# Altium PCB WCAM-TK-PCB-R02.PcbDoc (part 2 of 2) (continued)
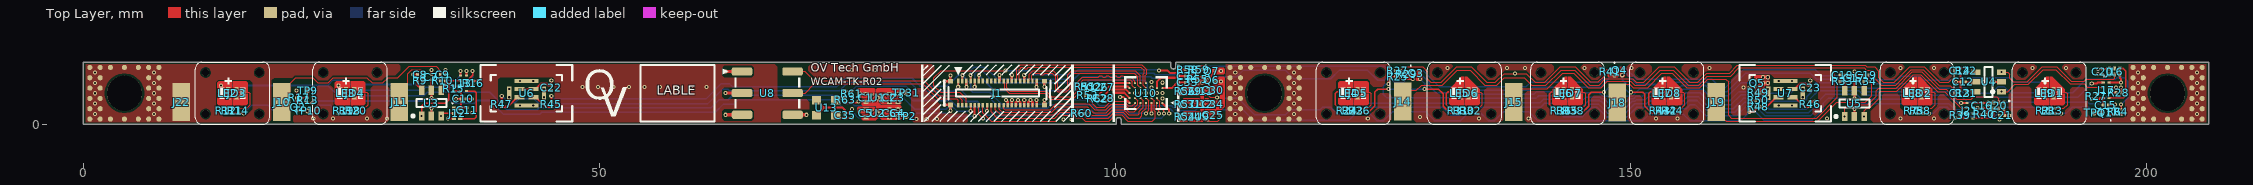
[diagram p0: Top Layer view]
## Nets (pads, with @x,y where several pads share a name; then routed paths per layer and width w, separated by ;. In a path a pad name is that pad's centre, name@x,y a point inside that pad or via, vN(x,y) a via of type N, cw(c..) or ccw(c..) an arc to the next point about the centre after c; other vN are vias at no path point) (continued)
  Top Layer w0.2: R15.2@35.9,3.2 J13.8@36.56,3.2 36.6,3.2 C10.1@36.6,2.45 ; v1(36.15,2.45) C10.1@36.6,2.45 ; J12.6@36.55,1.55 36.55,1.6 J12.6@36.6,1.6 ; C11.1@37.2,1.6 J12.6@36.6,1.6 ; R16.2@37.8,4.2 v1(38.25,4.2) ; v1(181.428,0.611) R39.2@181.886,0.611 181.897,0.6 182.2,0.6 182.239,0.561 J21.8@182.546,0.561 ; C16.1@184.026,1.561 v1(184.6,1.561) 184.6,1.25 184.535,1.185 184.535,0.985 R40.2@184.5,0.95 ; J20.6@186.15,1.5 186.2,1.45 186.2,1.283 C21.1@186.2,0.85 v1(186.65,0.85) ; v1(194.642,2.45) R27.2@195.1,2.45 195.105,2.455 195.405,2.455 195.5,2.55 J17.8@195.75,2.55 ; v1(195.252,5.35) C20.1@195.71,5.35 196.31,5.35 J16.6@196.36,5.4 ; C15.1@195.75,1.85 J17.8@195.75,2.55 ; J17.8@195.76,2.55 J17.8@195.75,2.55 ; R28.2@197.5,3.05 v1(197.5,3.55) ; J12.6@36.6,1.6 C10.1@36.6,2.45
  other v1: 75.3,1.35 75.85,1.345
VCC5.0: C2.1 C3.1 C4.1 C6.1 J1.28 J1.34 J1.40 Q6.2 R55.1 TP2.TP U1.3 U1.4 U2.3 U2.4 | length 2.1
  Top Layer w0.2: C4.1@79.15,0.75 TP2.TP@79.75,0.75
  Top Layer w0.25: J1.28@90,1.839 v1(90,2.35) ; J1.34@91.2,1.839 v1(91.2,2.35) ; J1.40@92.4,1.839 v1(92.4,2.35)
  other v1: 78.15,0.655 78.95,0.655 78.15,2.155 78.95,2.155 108,4.05 108.45,4.05
VCC_MIC: C22.1 C23.1 Q5.3 TP24.TP U6.3 U6.4 U7.4 | length 134.7
  Top Layer w0.2: U6.3@42.295,3.412 U6.4@43.645,3.412 43.862,3.412 44.4,3.95 44.9,3.95 45.074,3.776 45.356,3.776 C22.1@45.37,3.762 v1(45.37,4.22) ; U7.4@165.645,3.412 165.862,3.412 166.4,3.95 166.9,3.95 167.074,3.776 167.356,3.776 C23.1@167.37,3.762 v1(167.37,4.22)
  Layer 2 w0.25: v1(45.37,4.22) 82.28,4.22 82.9,3.6 83.85,3.6 84.4,4.15 91.7,4.15 92.7,5.15 103.525,5.15 104,5.625 104.776,5.625 105.025,5.376 ; 105.025,5.375 105.4,5 105.95,5 106.6,5.65 108.45,5.65 109.525,4.575 111.925,4.575 112.8,5.45 118.5,5.45 119.9,4.05 125.85,4.05 126.9,5.1 129.7,5.1 131.45,3.35 133.8,3.35 134.4,3.95 156.75,3.95 157.35,4.55 v1(162.8,4.55) v1(163.25,4.55) 163.75,5.05 166.54,5.05 v1(167.37,4.22)
  Bottom Layer w0.2: TP24.TP@162.15,4.45 162.207,4.507 162.363,4.507 162.406,4.55 v1(162.8,4.55)
  Bottom Layer w0.4: v1(162.8,4.55) v1(163.25,4.55)
VCCA3.3: C1.1 C7.1 C12.1 C17.1 Q5.2 R49.2 TP1.TP TP5.TP U1.1 U3.5 U4.5 U5.5 U8.1 | length 7.2
  Top Layer w0.2: v1(33.75,2.55) U3.5@33.75,3.3 C7.1@33.75,4.3 ; v1(171.65,2.5) U5.5@171.65,3.25 C17.1@171.65,4.2 ; C12.1@182.45,4.1 U4.5@183.4,4.1 v1(184.15,4.1)
  Top Layer w0.3: v1(62.25,5.114) U8.1@63.85,5.114
  Bottom Layer w0.4: v1(162.8,4) v1(163.25,4)
  other v1: 75.3,2.95 75.85,2.945
WI_D: J13.2 R16.1 | length 0.7
  Top Layer w0.15: J13.2@37.14,3.7 R16.1@37.8,3.7
WI_S\D: J13.7 R15.1 | length 0.7
  Top Layer w0.15: R15.1@35.9,3.7 J13.7@36.56,3.7
WIFI_D\I\S\: J13.6 TP6.TP U3.1 | length 6.7
  Top Layer w0.15: v1(32.8,0.8) 32.8,1.75 33.1,2.05 35.15,2.05 35.45,2.35 35.45,4 35.65,4.2 J13.6@36.56,4.2
WIFI_E\N\: J12.4 J13.1 | length 5
  Top Layer w0.15: J12.4@36.55,0.55 37.95,0.55 38.1,0.7 38.1,3.05 37.95,3.2 J13.1@37.14,3.2
WIFI_EN: J12.2 TP7.TP U3.3 | length 1.4
  Top Layer w0.15: v1(34.7,0.8) 34.7,0.85 34.9,1.05 J12.2@35.95,1.05
WiFi_ENABLE: J1.8 J13.5 LED3.1 TP11.TP | length 91
  Top Layer w0.15: v1(86,1.278) J1.8@86,1.839
  Top Layer w0.2: J13.5@36.56,4.7 v1(36.56,5.15)
  Bottom Layer w0.15: v1(13.35,3.75) 23.7,3.75 ; 36.432,4.582 36.1,4.25 33.1,4.25 32.7,3.85 25.65,3.85 25.225,4.275 24.225,4.275 23.7,3.75 ; v1(86,1.278) 84.672,1.278 84.25,1.7 83.85,1.7 83.6,1.45 80.6,1.45 79.5,2.55 77.7,2.55 76.95,1.8 74.75,1.8 74.55,2 73.9,2 73.1,2.8 62.95,2.8 62.525,2.375 61.625,2.375 60.85,1.6 44.2,1.6 44,1.4 41.1,1.4 39.4,3.1 33.35,3.1 33,2.75 24.7,2.75 23.7,3.75
  Bottom Layer w0.2: 36.432,4.582 36.56,4.71 v1(36.56,5.15)
WLED_DIS: J13.3 LED4.1 | length 15.8
  Top Layer w0.15: J13.3@37.14,4.2 37.165,4.225 37.225,4.225 37.75,4.75 v1(37.75,5.15)
  Bottom Layer w0.15: v1(24.75,3.75) 25.2,3.3 32.9,3.3 33.2,3.6 37.2,3.6 37.75,4.15 v1(37.75,5.15)
XVCLK: J1.16 R61.2 | length 16.2
  Top Layer w0.1: v1(73.85,3.2) R61.2@74.5,3.2
  Top Layer w0.15: v1(87.6,1.278) J1.16@87.6,1.839
  Bottom Layer w0.15: v1(73.85,3.2) 74.45,3.2 74.95,3.7 79.75,3.7 80.7,2.75 85,2.75 85.55,2.2 86.678,2.2 v1(87.6,1.278)
pads on no net: J1.13 J1.15 J1.17 J1.19 J2.MT J3.MT J4.MT J5.MT J6.MT J7.MT J8.MT J9.MT J12.1 J12.5 J16.1 J16.5 J20.1 J20.5

## Polygon pours and split planes (outlines as drawn)
GND on Top Layer "GND_L01_P025" (solid, pour order 25): 38.85,0.2 70.1,0.2 70.35,0.45 70.35,2.15 70.1,2.4 67.5,2.4 67.25,2.65 67.25,5.55 67,5.8 38.85,5.8 38.6,5.55 38.6,0.45
GND on Top Layer "GND_L01_P044" (solid, pour order 44): 192.82,4.35 191.77,5.4 191.77,5.6 191.97,5.8 193.82,5.8 194.02,5.6 194.02,4.6 193.77,4.35
GND on Top Layer "GND_L01_P043" (solid, pour order 43): 188.2,4.3 189.3,5.4 189.3,5.6 189.1,5.8 187.25,5.8 187.05,5.6 187.05,4.6 187.35,4.3
GND on Top Layer "GND_L01_P041" (solid, pour order 41): 205.75,0.2 187.2,0.2 187,0.4 187,1.1 186.6,1.5 186.6,2.9 187.35,3.65 188.6,3.65 188.8,3.45 188.8,1.9 189.2,1.5 189.45,1.5 189.6,1.35 189.6,0.9 189.75,0.75 191.9,0.75 192.1,0.95 192.1,1.35 192.55,1.8 192.55,3.4 192.75,3.6 193.85,3.6 194.25,3.2 194.25,0.95 194.55,0.65 197.75,0.65 197.9,0.8 197.9,2.3 198.25,2.65 198.25,5.8 205.75,5.8
GND on Top Layer "GND_L01_P040" (solid, pour order 40): 180.05,4.25 178.97,5.33 178.97,5.6 179.17,5.8 180.9,5.8 181.1,5.6 181.1,4.65 180.7,4.25
GND on Top Layer "GND_L01_P039" (solid, pour order 39): 175.4,4.3 176.5,5.4 176.5,5.6 176.3,5.8 174.45,5.8 174.25,5.6 174.25,4.6 174.55,4.3
GND on Top Layer "GND_L01_P038" (solid, pour order 38): 180.8,0.2 181.05,0.45 181.05,0.75 181.45,1.15 181.45,1.75 180.3,2.9 179.95,2.9 179.7,2.65 179.7,1.75 179.25,1.3 179.25,0.95 179.05,0.75 176.9,0.75 176.05,1.6 176.05,2.75 175.85,2.95 174.5,2.95 174.35,2.8 174.35,2.35 173.25,1.25 173.25,0.45 173.5,0.2
GND on Top Layer "GND_L01_P037" (solid, pour order 37): 167.9,0.85 169.75,2.7 169.75,4.95 169.5,5.2 160.6,5.2 159.7,4.3 159.7,1.05 159.9,0.85
GND on Top Layer "GND_L01_P036" (solid, pour order 36): 155.15,5.8 154.9,5.55 154.9,5.2 155.8,4.3 156.4,4.3 157.25,5.15 159.45,5.15 159.75,5.45 159.75,5.65 159.6,5.8
GND on Top Layer "GND_L01_P035" (solid, pour order 35): 149.85,5.8 149.6,5.55 149.6,4.7 149.7,4.6 150.25,4.6 150.55,4.3 151.2,4.3 152,5.1 152,5.55 151.75,5.8
GND on Top Layer "GND_L01_P034" (solid, pour order 34): 146.222,4.3 145.122,5.4 145.122,5.572 145.35,5.8 147.022,5.8 147.222,5.6 147.222,4.722 146.8,4.3
GND on Top Layer "GND_L01_P033" (solid, pour order 33): 136.8,4.3 137.75,5.25 139.85,5.25 140.85,4.25 141.55,4.25 142.5,5.2 142.5,5.6 142.3,5.8 135.3,5.8 135.1,5.6 135.1,5.35 136.15,4.3
GND on Top Layer "GND_L01_P032" (solid, pour order 32): 131.5,4.3 132.75,5.55 132.75,5.65 132.6,5.8 130.7,5.8 130.5,5.6 130.5,4.5 130.7,4.3
GND on Top Layer "GND_L01_P031" (solid, pour order 31): 156.95,0.2 157.2,0.45 157.2,3.05 156.95,3.3 155.7,3.3 155.45,3.05 155.45,1.8 155,1.35 154.7,1.35 154.45,1.1 154.45,0.95 154.3,0.8 151.95,0.8 151.1,1.65 151.1,2.55 150.85,2.8 149.95,2.8 149.7,2.55 149.7,0.45 149.95,0.2
GND on Top Layer "GND_L01_P030" (solid, pour order 30): 147.35,0.2 147.6,0.45 147.6,2.5 147.35,2.75 146.4,2.75 146.15,2.5 146.15,1.65 145.3,0.8 142.8,0.8 141.85,1.75 141.85,2.95 141.6,3.2 139.95,3.2 139.7,2.95 139.7,0.45 139.95,0.2
GND on Top Layer "GND_L01_P029" (solid, pour order 29): 137.35,0.2 137.6,0.45 137.6,3.3 137.35,3.55 136.05,3.55 135.8,3.3 135.8,1.75 135.35,1.3 135.05,1.3 134.8,1.05 134.8,0.85 134.7,0.75 132.35,0.75 131.5,1.6 131.5,2.8 131.2,3.1 129.2,3.1 128.95,2.85 128.95,0.45 129.2,0.2
GND on Top Layer "GND_L01_P028" (solid, pour order 28): 126.5,0.2 126.75,0.45 126.75,2.75 126.5,3 125.7,3 125.45,2.75 125.45,1.65 124.55,0.75 121.85,0.75 121.05,1.55 121.05,3.15 121.4,3.5 121.4,4.15 121.65,4.4 124.5,4.4 124.75,4.15 124.75,3.9 125,3.65 125.9,3.65 126.15,3.9 126.15,4.35 126.75,4.95 126.75,5.55 126.5,5.8 110.75,5.8 110.75,0.2
GND on Top Layer "GND_L01_P027" (solid, pour order 27): 85.65,0.2 85.75,0.3 85.75,0.9 85.65,1 83.25,1 83,1.25 83,1.95 81.45,3.5 80.5,3.5 80.25,3.25 80.25,0.45 80.5,0.2 80.75,0.2
GND on Top Layer "GND_L01_P026" (solid, pour order 26): 70.5,5.8 82.25,5.8 82.5,5.55 82.5,5.05 81.9,4.45 71,4.45 70.25,5.2 70.25,5.55
GND on Top Layer "GND_L01_P024" (solid, pour order 24): 29.4,0.2 29.65,0.45 29.65,3.5 29.4,3.75 28.1,3.75 27.85,3.5 27.85,1.8 27.4,1.35 27,1.35 26.8,1.15 26.8,0.85 26.7,0.75 24.5,0.75 24.25,1 24.25,3.5 24,3.75 22.75,3.75 22.5,3.5 22.5,2.5 22.75,2.25 22.75,2 22.25,1.5 22.25,1 22.1,0.85 20.45,0.85 20.35,0.75 20.35,0.3 20.45,0.2
GND on Top Layer "GND_L01_P023" (solid, pour order 23): 18,0.2 18.25,0.45 18.25,4.25 18.5,4.5 20.25,4.5 20.5,4.75 22.3,4.75 22.8,4.25 23.7,4.25 24.2,4.75 27.55,4.75 28.05,4.25 28.95,4.25 29.45,4.75 30.25,4.75 30.75,5.25 30.75,5.65 30.6,5.8 0.25,5.8 0.25,0.2
GND on Top Layer "GND_L01_P001" (solid, remove dead copper, pour order 1): 110.75,0.2 118.25,0.2 118.25,5.8 110.75,5.8
GND on Top Layer "GND_L01_P000" (solid, remove dead copper, pour order 0): 0.25,0.2 7.75,0.2 7.75,5.8 0.25,5.8
GND on Top Layer "GND_L01_P002" (solid, remove dead copper, pour order 2): 198.25,0.2 205.75,0.2 205.75,5.8 198.25,5.8
AVDD on Layer 2 "AVDD_L03_P005" (solid, pour order 5): 97.75,1.05 99.3,1.05 99.9,1.65 101.45,1.65 101.75,1.35 104.9,1.35 105,1.25 105,0.9 105.1,0.8 105.5,0.8 105.6,0.9 105.6,1.25 105.9,1.55 106.95,1.55 107.15,1.35 108.9,1.35 109.6,0.65 110.4,0.65 110.6,0.85 110.6,1.35 110.6,1.55 108.7,3.45 105.45,3.45 104.7,4.2 104.5,4.2 104.35,4.05 104.35,3.8 104.9,3.25 104.9,2.4 104.7,2.2 104.35,2.2 104.15,2.4 104.15,2.6 104.05,2.7 103.35,2.7 103.25,2.8 103.25,3.15 103.15,3.25 102.85,3.25 102.75,3.15 102.75,2.8 102.65,2.7 101.8,2.7 101.45,3.05 99.95,3.05 99.05,3.05 97.75,3.05 97.55,2.85 97.55,1.65 97.55,1.25
GND on Layer 2 "GND_L03_P019" (solid, remove dead copper, pour order 19): 0.25,0.2 205.75,0.2 205.75,5.8 0.25,5.8
VCC5.0 on Layer 2 "VCC5.0_L03_P013" (solid, pour order 13): 85.55,0.2 87.3,1.95 88.4,1.95 89.65,0.7 96.55,0.7 97.05,1.2 97.05,3.35 96.8,3.6 96.8,4 96.95,4.15 99.3,4.15 99.75,3.7 99.75,3.35 99.9,3.2 101.5,3.2 101.65,3.35 103.85,3.35 104.2,3.7 104.2,4.1 104.35,4.25 104.8,4.25 105.5,3.55 108.7,3.55 108.85,3.7 108.85,4.5 108.15,5.2 106.9,5.2 106.2,4.5 105.2,4.5 104.25,5.45 93.35,5.45 91.8,3.9 87.25,3.9 86.6,3.25 77.55,3.25 77.4,3.1 77.4,0.35 77.55,0.2
VCC3.3 on Layer 3 "VCC3.3_L04_P017" (solid, pour order 17): 0.25,0.2 205.75,0.2 205.75,5.8 0.25,5.8
DVDD on Layer 3 "DVDD_L04_P011" (solid, pour order 11): 98.7,2.15 98.8,2.05 101.4,2.05 101.5,2.15 101.5,3.25 101.65,3.4 102.15,3.4 102.3,3.25 102.3,1.85 102.4,1.75 105.35,1.75 105.9,1.2 107.45,1.2 107.85,1.6 107.85,2.55 106.65,3.75 106.3,3.75 102.6,3.75 102.25,4.1 98.7,4.1
VCCA3.3 on Layer 3 "VCCA3.3_L04_P016" (solid, pour order 16): 35.2,2.35 37.4,4.55 73.4,4.55 75.2,2.75 76,2.75 78.25,5 87.45,5 88.3,4.15 91.45,4.15 92.5,5.2 103.5,5.2 103.95,4.75 106.35,4.75 106.9,5.3 108.9,5.3 109.7,4.5 112.5,4.5 113.15,5.15 117.95,5.15 119,4.1 126.15,4.1 127.05,5 129.65,5 130.6,4.05 132.7,4.05 133.2,4.55 135.05,4.55 135.5,4.1 161.55,4.1 161.9,3.75 163.5,3.75 164.25,4.5 169.15,4.5 171.4,2.25 179.3,2.25 180.8,3.75 184.55,3.75 184.75,3.95 184.75,5.55 184.5,5.8 33.5,5.8 33.25,5.55 33.25,2.6 33.5,2.35
DOVDD on Layer 3 "Layer 3-DOVDD" (solid, pour order 15): 74.15,0.4 74.3,0.25 97.95,0.25 109.1,0.25 110.25,1.4 110.25,2.6 109.95,2.9 108.3,2.9 107.95,2.55 107.95,1.55 107.5,1.1 105.85,1.1 105.3,1.65 102.35,1.65 102.2,1.8 102.2,3.2 102.1,3.3 101.7,3.3 101.6,3.2 101.6,2.05 101.5,1.95 98.75,1.95 98.6,2.1 98.6,3.5 98.5,3.6 97.9,3.6 97.8,3.5 97.8,1.9 97.35,1.45 80.45,1.45 80,1.9 77.35,1.9 76.45,1 75.25,1 74.6,1.65 74.25,1.65 74.15,1.55
GND on Bottom Layer "GND_L06_P018" (solid, remove dead copper, pour order 18): 0.25,0.2 205.75,0.2 205.75,5.8 0.25,5.8
AGND on Bottom Layer "AGND_L06_P012" (solid, pour order 12): 99.15,1.75 99.25,1.85 101.8,1.85 105.3,1.85 105.6,2.15 105.6,3.7 104.85,4.45 103.1,4.45 98.9,4.45 98.7,4.25 98.7,2.05 99,1.75
GND on Layer 1 "GND_L02_P006" (solid, pour order 6): 0.25,0.2 0.25,5.8 205.75,5.8 205.75,0.2
GND on Layer 4 "GND_L05_P007" (solid, pour order 7): 0.25,0.2 205.75,0.2 205.75,5.8 0.25,5.8

## Other copper
Top Layer:
  pour cut-out: 202,4.9 cw(c202,3) 203.9,3 cw(c202,3) 202,1.1 cw(c202,3) 200.1,3 cw(c202,3)
  pour cut-out: 114.5,4.9 cw(c114.5,3) 116.4,3 cw(c114.5,3) 114.5,1.1 cw(c114.5,3) 112.6,3 cw(c114.5,3)
  pour cut-out: 4,4.9 cw(c4,3) 5.9,3 cw(c4,3) 4,1.1 cw(c4,3) 2.1,3 cw(c4,3)
  pour cut-out: 161.2,4.003 162.055,4.858 163.542,4.858 163.88,4.52 167.53,4.52 168.128,3.922 168.128,1.965 167.62,1.457 167.62,0.98 167.75,0.85 161.254,0.85 161.2,0.904
  pour cut-out: 70.35,1.45 67.8,1.45 67.6,1.25 67.6,0.2 70.35,0.2
  pour cut-out: 62.15,1.45 64.8,1.45 65,1.25 65,0.55 64.8,0.35 62.15,0.35 61.944,0.556 61.944,1.244
  pour cut-out: 62.15,3.55 64.8,3.55 65,3.35 65,2.65 64.8,2.45 62.15,2.45 61.944,2.656 61.944,3.344
  pour cut-out: 62.15,5.65 64.8,5.65 65,5.45 65,4.75 64.8,4.55 62.15,4.55 61.944,4.756 61.944,5.444
  pour cut-out: 40.377,1.4 45.55,1.4 45.67,1.52 45.67,4.38 45.53,4.52 40.42,4.52 40.25,4.35 40.25,1.527
  pour cut-out: 15.69,0.75 16.404,1.464 16.404,3.996 16.142,4.258 13.088,4.258 12.879,4.049 12.879,1.471 13.6,0.75
  region net VCCA3.3: 162.8,2.85 162.9,2.95 162.9,3.7 163,3.8 163.4,3.8 163.45,3.85 163.45,4.15 163.4,4.2 162.7,4.2 162.3,3.8 162.3,3.35 162.4,3.25 162.4,2.9 162.45,2.85
  region net VCC_MIC: 162,4.15 162.45,4.15 162.65,4.35 163.4,4.35 163.45,4.4 163.45,4.7 163.4,4.75 162.1,4.75 161.95,4.6 161.95,4.2
  region net NetQ4_3: 148.9,4.65 149,4.55 149.3,4.55 149.4,4.65 149.4,5.5 149.35,5.55 149,5.55 148.9,5.45
  region net GND: 148.7,4.55 148.8,4.65 148.8,5.1 148.75,5.15 148.4,5.15 148.3,5.05 147.85,5.05 147.75,4.95 147.75,4.65 147.85,4.55
  region net NetQ3_3: 129.15,4.3 129.25,4.2 129.65,4.2 129.75,4.3 129.75,5.15 129.65,5.25 129.35,5.25 129.25,5.15 129.25,4.95 129.15,4.85
  region net GND: 128.05,4.7 128.15,4.8 128.6,4.8 128.7,4.9 129,4.9 129.05,4.85 129.05,4.3 128.95,4.2 128.75,4.2 128.65,4.3 128.15,4.3 128.05,4.4
  region net DVDD: 107,2.75 106.1,2.75 106,2.85 106,3.05 106.1,3.15 106.5,3.15 107,3.15 107.05,3.1 107.05,2.8
  region net AVDD: 107,1.5 106.1,1.5 106,1.6 106,1.8 106.1,1.9 106.5,1.9 107,1.9 107.05,1.85 107.05,1.55
  region net DOVDD: 107,0.25 106.1,0.25 106,0.35 106,0.55 106.1,0.65 106.5,0.65 107,0.65 107.05,0.6 107.05,0.3
  region net NetC29_1: 107.85,3.25 108.2,3.6 108.2,3.7 108.15,3.75 106.65,3.75 106.6,3.7 106.6,3.3 106.65,3.25
  region net NetC31_1: 107.85,2 108.2,2.35 108.2,2.45 108.15,2.5 106.65,2.5 106.6,2.45 106.6,2.05 106.65,2
  region net NetC24_1: 107.85,0.75 108.2,1.1 108.2,1.2 108.15,1.25 106.65,1.25 106.6,1.2 106.6,0.8 106.65,0.75
  region net VCC5.0: 109.15,3.85 109.25,3.95 109.25,4.1 109.15,4.2 108.8,4.2 108.65,4.35 107.85,4.35 107.75,4.25 107.75,3.95 107.85,3.85
  region net NetQ6_1: 110.55,4.85 110.65,4.95 110.65,5.35 110.55,5.45 109.5,5.45 109.4,5.35 109.4,4.95 109.5,4.85 109.55,4.85
  region net NetC25_1: 108.9,0.9 108.7,1.1 108.7,1.55 108.88,1.73 109.07,1.73 109.1,1.7 109.1,1.6 109.25,1.45 109.7,1.45 109.8,1.55 109.8,1.9 109.7,2 109.4,2 109.25,2.15 108.9,2.15 108.7,2.35 108.7,2.45 108.75,2.5 109.05,2.5 109.2,2.35 109.65,2.35 109.75,2.25 110.1,2.25 110.2,2.35 110.2,2.8 110.1,2.9 109.9,2.9 109.8,3 109.8,3.2 109.7,3.3 109.35,3.3 109.25,3.4 108.9,3.4 108.7,3.6 108.7,3.7 108.75,3.75 109.4,3.75 109.5,3.85 109.5,4.5 109.6,4.6 110.55,4.6 110.65,4.5 110.65,1.7 109.85,0.9 109.8,0.9
  region net GND: 107.2,0.3 107.25,0.25 108.5,0.25 108.85,0.6 109.1,0.6 109.2,0.5 109.25,0.45 109.65,0.45 109.7,0.5 109.7,0.75 109.65,0.8 109.2,0.8 108.85,0.8 108.6,1.05 108.6,1.25 108.6,1.4 108.6,1.6 108.85,1.85 109.1,1.85 109.2,1.75 109.2,1.65 109.3,1.55 109.65,1.55 109.7,1.6 109.7,1.85 109.65,1.9 109.35,1.9 109.2,2.05 108.85,2.05 108.6,2.3 108.6,2.5 108.6,2.65 108.6,2.85 108.85,3.1 109.1,3.1 109.2,3 109.2,2.9 109.25,2.85 109.65,2.85 109.7,2.9 109.7,3.15 109.65,3.2 109.3,3.2 109.2,3.3 108.85,3.3 108.5,3.65 108.4,3.65 107.9,3.15 107.25,3.15 107.2,3.1 107.2,2.8 107.25,2.75 108.2,2.75 108.3,2.65 108.3,2.3 107.9,1.9 107.25,1.9 107.2,1.85 107.2,1.55 107.25,1.5 108.2,1.5 108.3,1.4 108.3,1.05 107.9,0.65 107.25,0.65 107.2,0.6
  region net VCC3.3: 76.35,1.05 76.75,1.45 76.75,1.6 76.65,1.7 75.1,1.7 75,1.6 75,1.15 75.1,1.05
  region net VCCA3.3: 76.35,2.55 76.75,2.95 76.75,3.4 76.65,3.5 75.1,3.5 75,3.4 75,2.65 75.1,2.55
  region net GND: 77.85,1.25 77.85,1.4 77.65,1.6 77.2,1.6 77.15,1.55 77.15,1.35 77.4,1.1 77.4,1 76.8,0.4 75.55,0.4 75.45,0.5 75.45,0.85 75.55,0.95 76.4,0.95 76.85,1.4 76.85,1.7 76.75,1.8 75.55,1.8 75.45,1.9 75.45,2.35 75.55,2.45 76.4,2.45 76.85,2.9 76.85,3.4 76.95,3.5 79.2,3.5 79.3,3.4 79.3,2.75 79.2,2.65 77.95,2.65 77.85,2.75 77.85,2.9 77.65,3.1 77.2,3.1 77.15,3.05 77.15,2.85 77.4,2.6 77.4,2.5 77.15,2.25 77.15,2.05 77.35,1.85 79.2,1.85 79.3,1.75 79.3,1.25 79.2,1.15 77.95,1.15
  region net VCC5.0: 79.2,1.05 77.9,1.05 77.75,1.2 77.75,1.35 77.6,1.5 77.25,1.5 77.25,1.4 77.5,1.15 77.5,0.95 77.25,0.7 77.25,0.6 77.4,0.45 79.2,0.45 79.3,0.55 79.3,0.95
  region net VCC5.0: 79.2,2.55 77.9,2.55 77.75,2.7 77.75,2.85 77.6,3 77.25,3 77.25,2.9 77.5,2.65 77.5,2.45 77.25,2.2 77.25,2.1 77.4,1.95 79.2,1.95 79.3,2.05 79.3,2.45
  region net BAT_FCH_LED: 190.485,3.05 190.485,4.6 190.255,4.6 189.055,3.4 189.055,3.05
  region net NetLED1_2: 190.585,3.05 190.585,4.6 190.815,4.6 192.015,3.4 192.015,3.05
  region net NetLED1_4: 190.485,1.85 189.2,1.85 189.055,1.995 189.055,2.95 190.485,2.95
  region net NetLED1_3: 190.585,1.85 191.87,1.85 192.015,1.995 192.015,2.95 190.585,2.95
  region net NetLED3_2: 14.518,4.15 15.803,4.15 15.948,4.005 15.948,3.05 14.518,3.05
  region net WiFi_ENABLE: 14.418,4.15 13.133,4.15 12.988,4.005 12.988,3.05 14.418,3.05
  region net NetLED3_3: 14.518,1.85 15.803,1.85 15.948,1.995 15.948,2.95 14.518,2.95
  region net NetLED3_4: 14.418,1.85 13.133,1.85 12.988,1.995 12.988,2.95 14.418,2.95
  region net NetLED4_3: 25.918,1.85 27.203,1.85 27.348,1.995 27.348,2.95 25.918,2.95
  region net NetLED4_4: 25.818,1.85 24.533,1.85 24.388,1.995 24.388,2.95 25.818,2.95
  region net NetLED4_2: 25.918,4.15 27.203,4.15 27.348,4.005 27.348,3.05 25.918,3.05
  region net WLED_DIS: 25.818,4.15 24.533,4.15 24.388,4.005 24.388,3.05 25.818,3.05
  region net NetLED5_2: 123.139,4.15 124.424,4.15 124.569,4.005 124.569,3.05 123.139,3.05
  region net CAMERA_ENABLE: 123.039,4.15 121.754,4.15 121.609,4.005 121.609,3.05 123.039,3.05
  region net NetLED5_4: 123.039,1.85 121.754,1.85 121.609,1.995 121.609,2.95 123.039,2.95
  region net NetLED5_3: 123.139,1.85 124.424,1.85 124.569,1.995 124.569,2.95 123.139,2.95
  region net CAMERA_DISABLE: 133.8,3.05 133.8,4.6 133.57,4.6 132.37,3.4 132.37,3.05
  region net NetLED6_2: 133.9,3.05 133.9,4.6 134.13,4.6 135.33,3.4 135.33,3.05
  region net NetLED6_4: 133.8,1.85 132.515,1.85 132.37,1.995 132.37,2.95 133.8,2.95
  region net NetLED6_3: 133.9,1.85 135.185,1.85 135.33,1.995 135.33,2.95 133.9,2.95
  region net MLED_EN: 143.818,3.05 143.818,4.6 143.588,4.6 142.388,3.4 142.388,3.05
  region net NetLED7_2: 143.918,3.05 143.918,4.6 144.148,4.6 145.348,3.4 145.348,3.05
  region net NetLED7_4: 143.818,1.85 142.533,1.85 142.388,1.995 142.388,2.95 143.818,2.95
  region net NetLED7_3: 143.918,1.85 145.203,1.85 145.348,1.995 145.348,2.95 143.918,2.95
  region net MIC_DISABLE: 153.418,3.05 153.418,4.6 153.188,4.6 151.988,3.4 151.988,3.05
  region net NetLED8_2: 153.518,3.05 153.518,4.6 153.749,4.6 154.949,3.4 154.949,3.05
  region net NetLED8_4: 153.418,1.85 152.133,1.85 151.988,1.995 151.988,2.95 153.418,2.95
  region net NetLED8_3: 153.518,1.85 154.803,1.85 154.949,1.995 154.949,2.95 153.518,2.95
  region net NetLED2_3: 177.785,1.85 179.07,1.85 179.215,1.995 179.215,2.95 177.785,2.95
  region net NetLED2_4: 177.685,1.85 176.4,1.85 176.255,1.995 176.255,2.95 177.685,2.95
  region net NetLED2_2: 177.785,3.05 177.785,4.6 178.015,4.6 179.215,3.4 179.215,3.05
  region net BAT_LOW_LED: 177.685,3.05 177.685,4.6 177.455,4.6 176.255,3.4 176.255,3.05
Bottom Layer:
  pour cut-out: 4,4.9 ccw(c4,3) 2.1,3 ccw(c4,3) 4,1.1 ccw(c4,3) 5.9,3 ccw(c4,3)
  pour cut-out: 114.5,4.9 ccw(c114.5,3) 112.6,3 ccw(c114.5,3) 114.5,1.1 ccw(c114.5,3) 116.4,3 ccw(c114.5,3)
  pour cut-out: 202,4.9 ccw(c202,3) 200.1,3 ccw(c202,3) 202,1.1 ccw(c202,3) 203.9,3 ccw(c202,3)

## Silkscreen, mask and mechanical layers (free items; w line width, h text height)
Top Overlay:
  drawing of 100 lines, arcs and shapes, not listed
  text "OV Tech GmbH" at 70.5,4.816 h1.4
  text "WCAM-TK-R02" at 70.5,3.512 h1.2
  text "LABLE" at 55.6,2.55 h1.5
Bottom Overlay:
  region: 15.3,0.2 19.05,0.2 21.6,0.2 25.05,0.2 41,0.2 61.85,0.2 63.65,2 72.75,2 74.55,0.2 79.15,0.2 83.95,0.2 88.25,0.2 99.6,0.2 100.2,0.8 100.5,0.8 101.1,0.2 104.85,0.2 113.15,0.2 174.4,0.2 175.85,1.65 177.7,1.65 179.15,0.2 196.35,0.2 198.55,2.4 198.55,4.3 197.8,5.05 196.75,5.05 196.5,5.3 196.5,5.55 196.25,5.8 195.05,5.8 194.3,5.05 192.7,3.45 191.4,3.45 190.35,4.5 188.85,4.5 187.55,5.8 167.8,5.8 156.25,5.8 155.15,4.7 151.9,4.7 150.85,5.75 147,5.75 145.65,4.4 140.75,4.4 140.5,4.65 140.5,5.55 140.25,5.8 137.55,5.8 137.25,5.5 137.25,4.65 137,4.4 136.05,4.4 135.65,4 134.25,4 133.8,4.45 133.2,4.45 132.75,4 132.05,4 130.25,5.8 106.4,5.8 105.8,5.2 105.5,5.2 104.9,5.8 74.7,5.8 73.75,4.85 72.9,4 63.15,4 62.9,4.25 62.9,5.55 62.65,5.8 61.75,5.8 61.5,5.55 61.5,4.25 60.5,3.25 46,3.25 45.75,3.5 45.75,4.5 45.5,4.75 45.25,4.75 45,4.5 45,3.5 44.75,3.25 40.4,3.25 37.85,5.8 30.15,5.8 26.75,5.8 25.15,5.8 23.55,4.2 13.15,4.2 12.85,3.9 12.85,1.65 14.3,0.2
Top Solder:
  lines w0.1: 0,0 0,6 206,6 206,0 0,0
Bottom Solder:
  region: 178.25,0.2 178.25,0.8 177.65,1.4 176,1.4 175.75,1.15 175.75,0.2
  region: 188.75,5.8 188.75,5 189,4.75 190.45,4.75 191.45,3.75 192.5,3.75 192.75,4 192.75,4.25 192.25,4.75 192.25,5.8
  region: 151.75,5.8 151.75,5.2 152,4.95 155,4.95 155.25,5.2 155.25,5.8
  region: 142.25,5.8 142.25,4.9 142.5,4.65 145.5,4.65 145.75,4.9 145.75,5.8
  region: 63.5,5.8 63.5,4.5 63.75,4.25 72.75,4.25 73.5,5 73.5,5.8
  region: 46,5.8 46,3.75 46.25,3.5 60.3,3.5 61,4.2 61,5.8
  region: 38.75,5.8 38.75,5.25 40.5,3.5 44.5,3.5 44.75,3.75 44.75,5.8
  region: 205.75,0.2 197.5,0.2 197.5,1 198.8,2.3 198.8,4.35 197.85,5.3 196.95,5.3 196.75,5.5 196.75,5.8 205.75,5.8
  region: 132,5.8 132,4.5 132.25,4.25 132.75,4.25 133.2,4.7 133.85,4.7 134.3,4.25 135.5,4.25 135.75,4.5 135.75,5.8
  region: 62.8,0.8 63.75,1.75 72.65,1.75 73.5,0.9 73.5,0.2 62.8,0.2
  region: 0.25,0.2 13.288,0.2 13.5,0.2 13.5,0.5 12.5,1.5 12.5,4 12.95,4.45 23.45,4.45 23.9,4.9 23.9,5.8 0.25,5.8
Mechanical 1:
  the board outline again, w0.05
Top 3D Body:
  drawing of 719 lines, arcs and shapes, not listed

## Text inside footprints (layer, text, board x,y; h text height)
U6: Top 3D Body "PORT" at 41.4,3.25 h0.5 r90
U7: Top 3D Body "PORT" at 163.4,3.25 h0.5 r90
U10: Top 3D Body "PLACE TOWARS BOTTOM PCB EDGE" at 101.4,1.3 h0.2